# Altium PCB Nest-Distrib.PcbDoc
Units mil, origin at the board's own origin, x right, y up, seen from the top; angles counter-clockwise.
Board outline 3720 x 4110 mil, 2 copper layers (Top Layer, Bottom Layer); 78 components, 155 nets, 406 pads, 39 vias.
Unrouted connection lines stored in the file: 1.
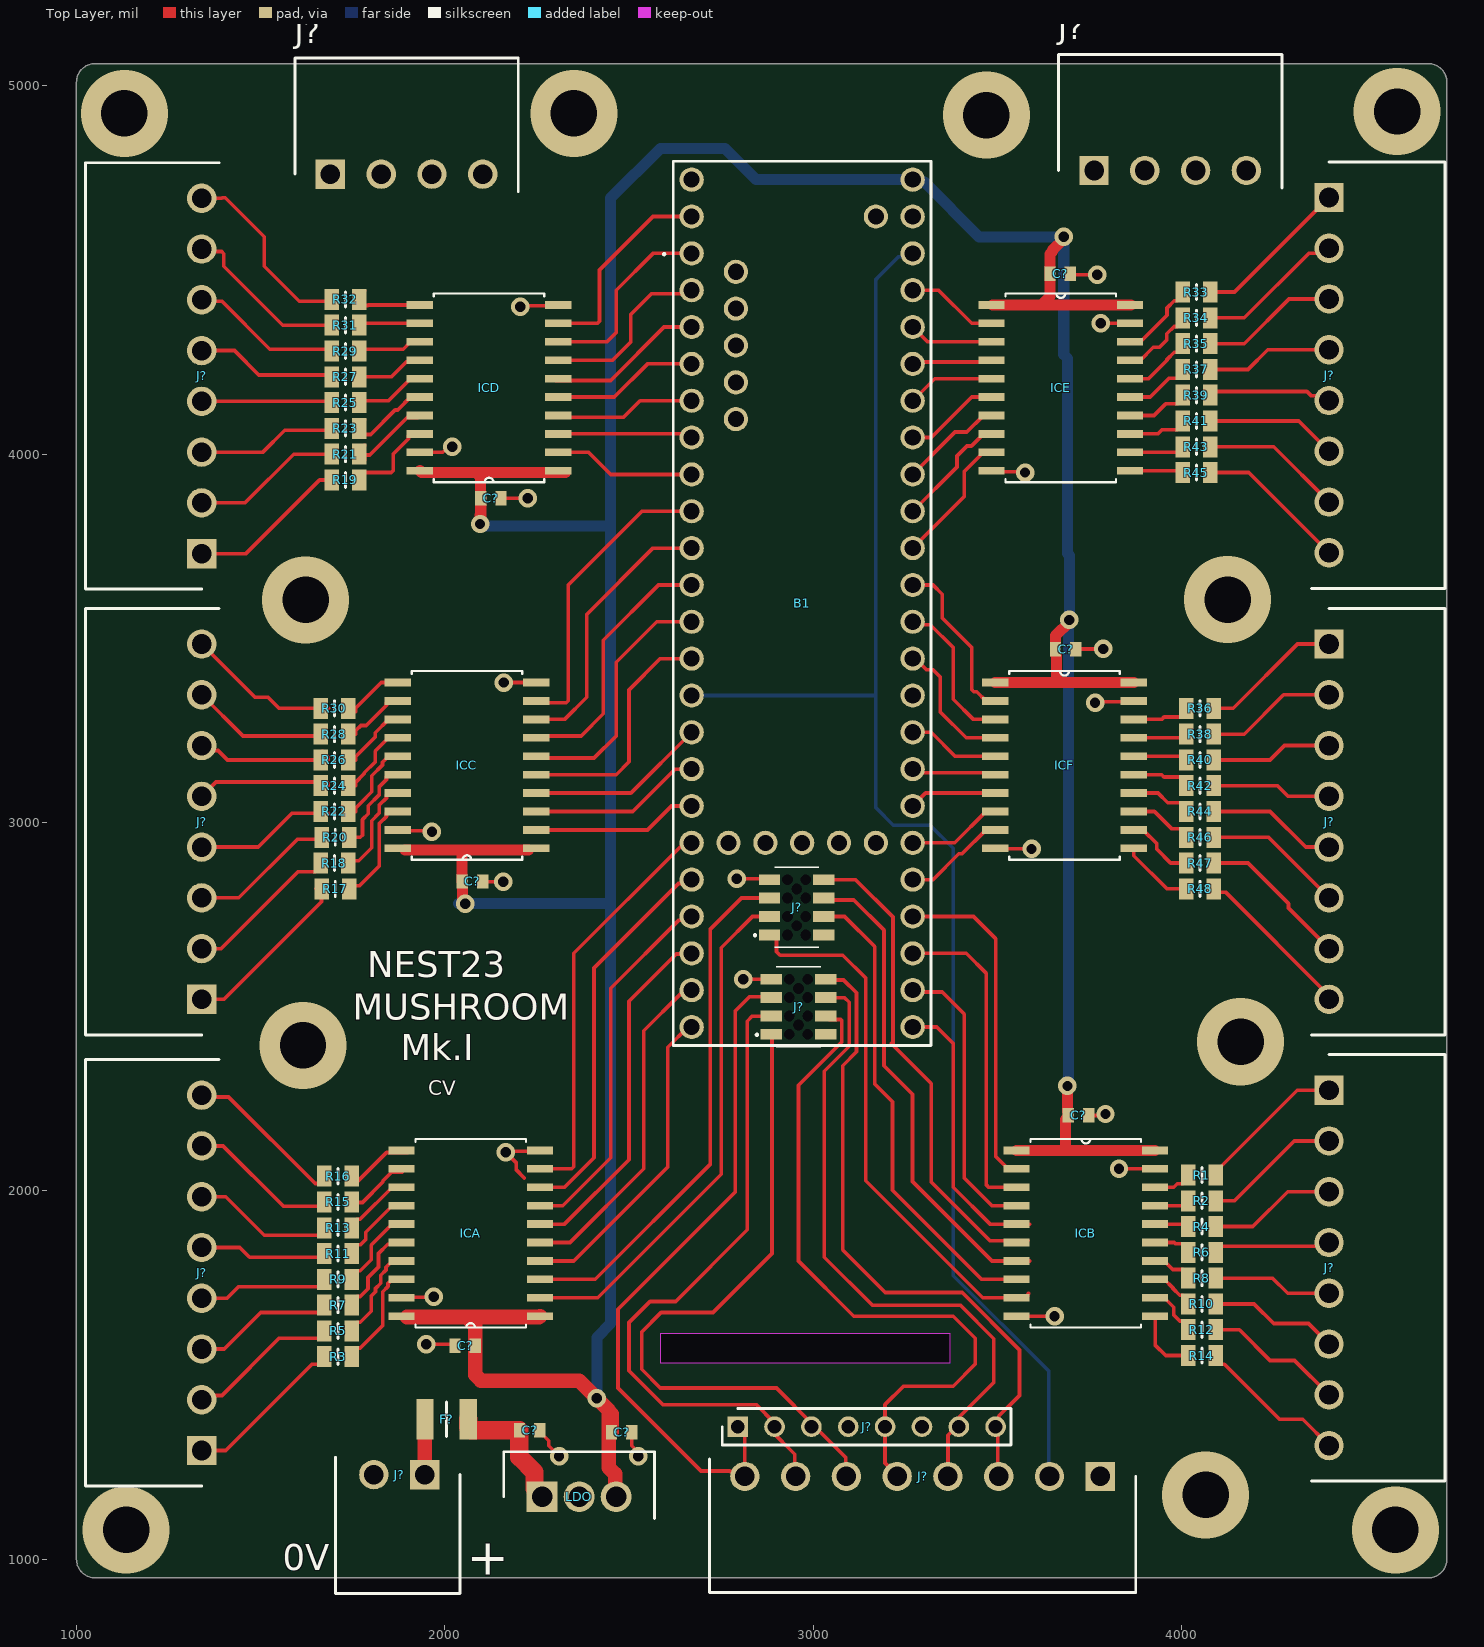
[diagram p0: Top Layer view]
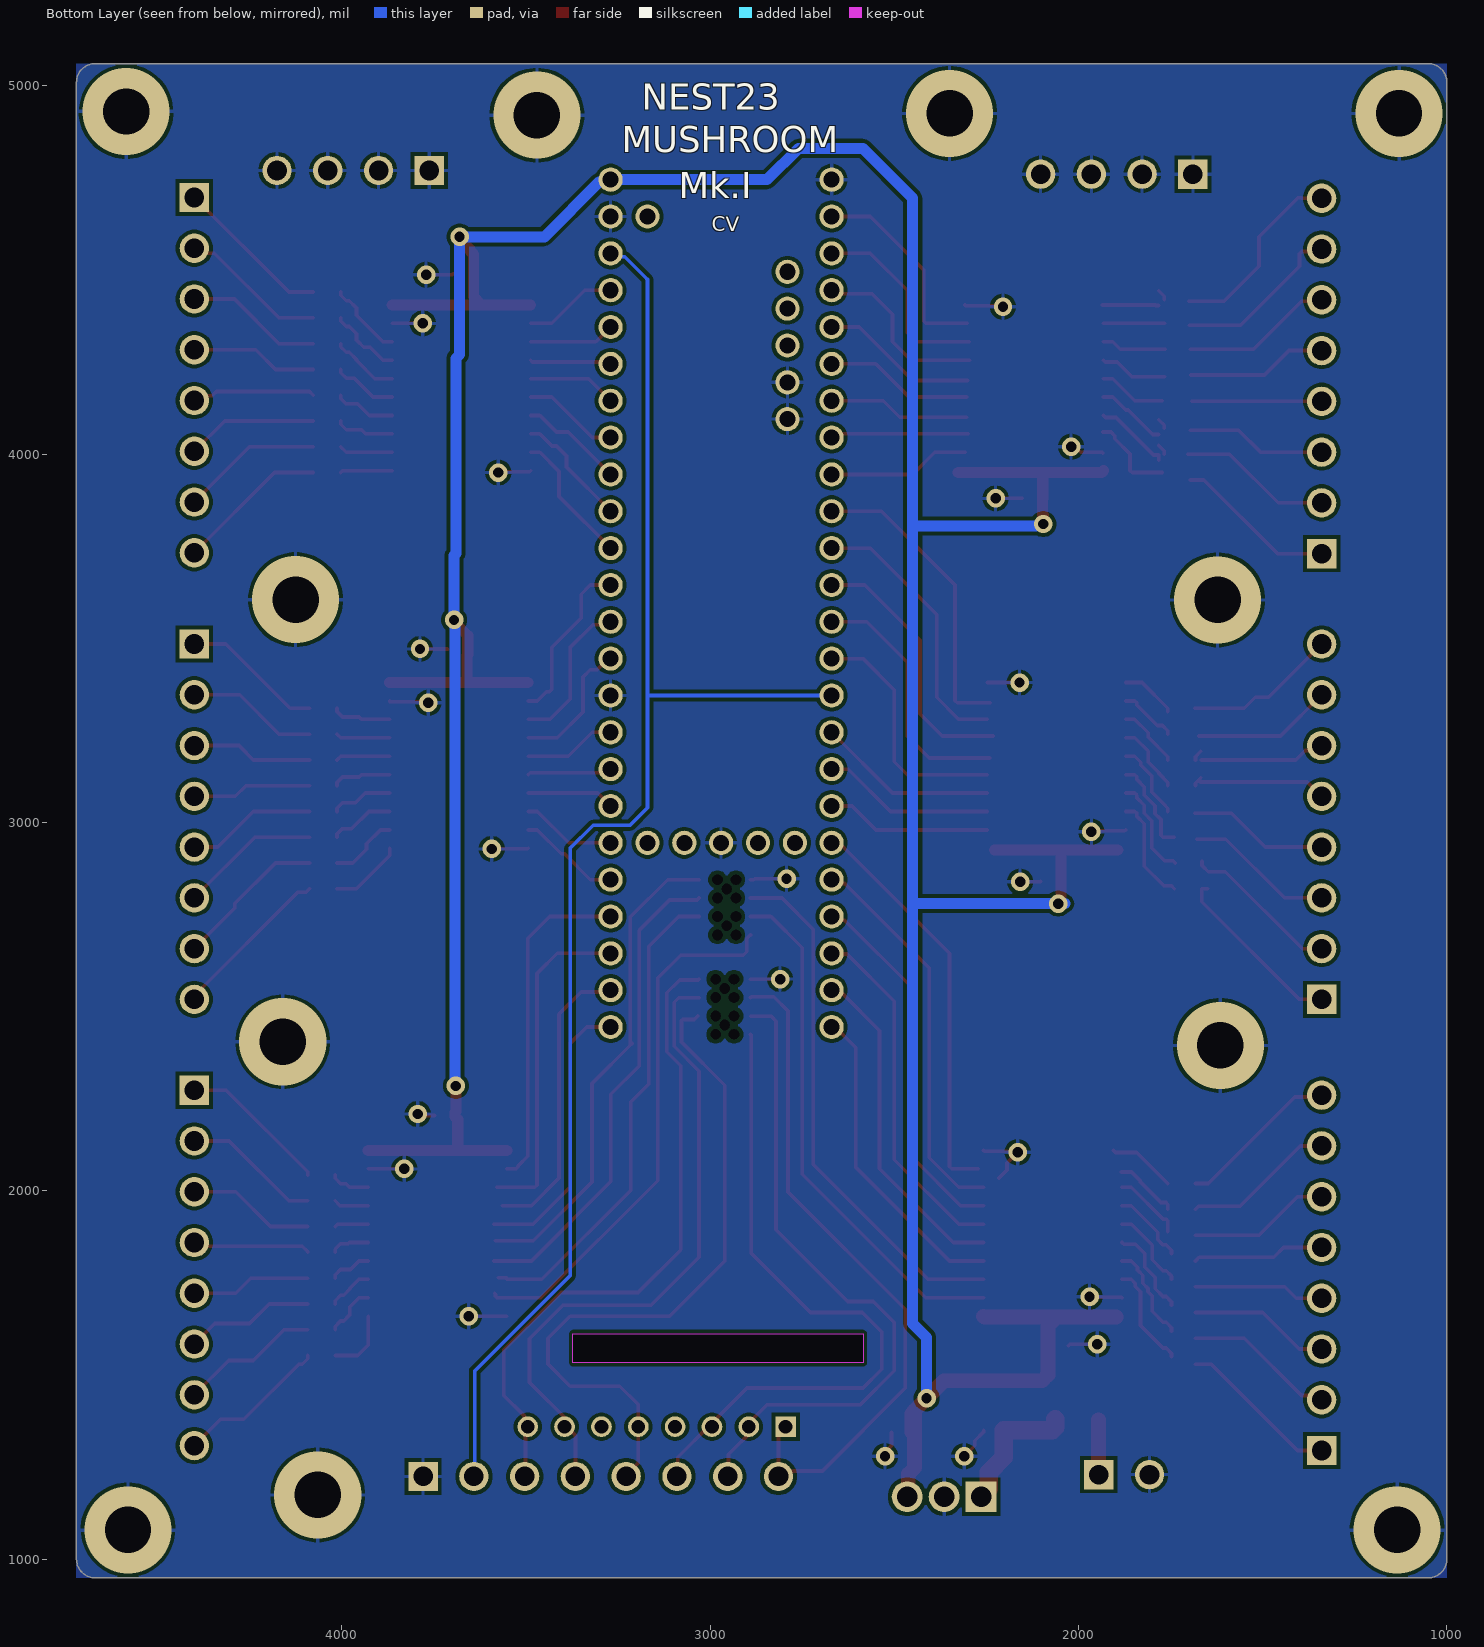
[diagram p1: Bottom Layer view, seen from below]
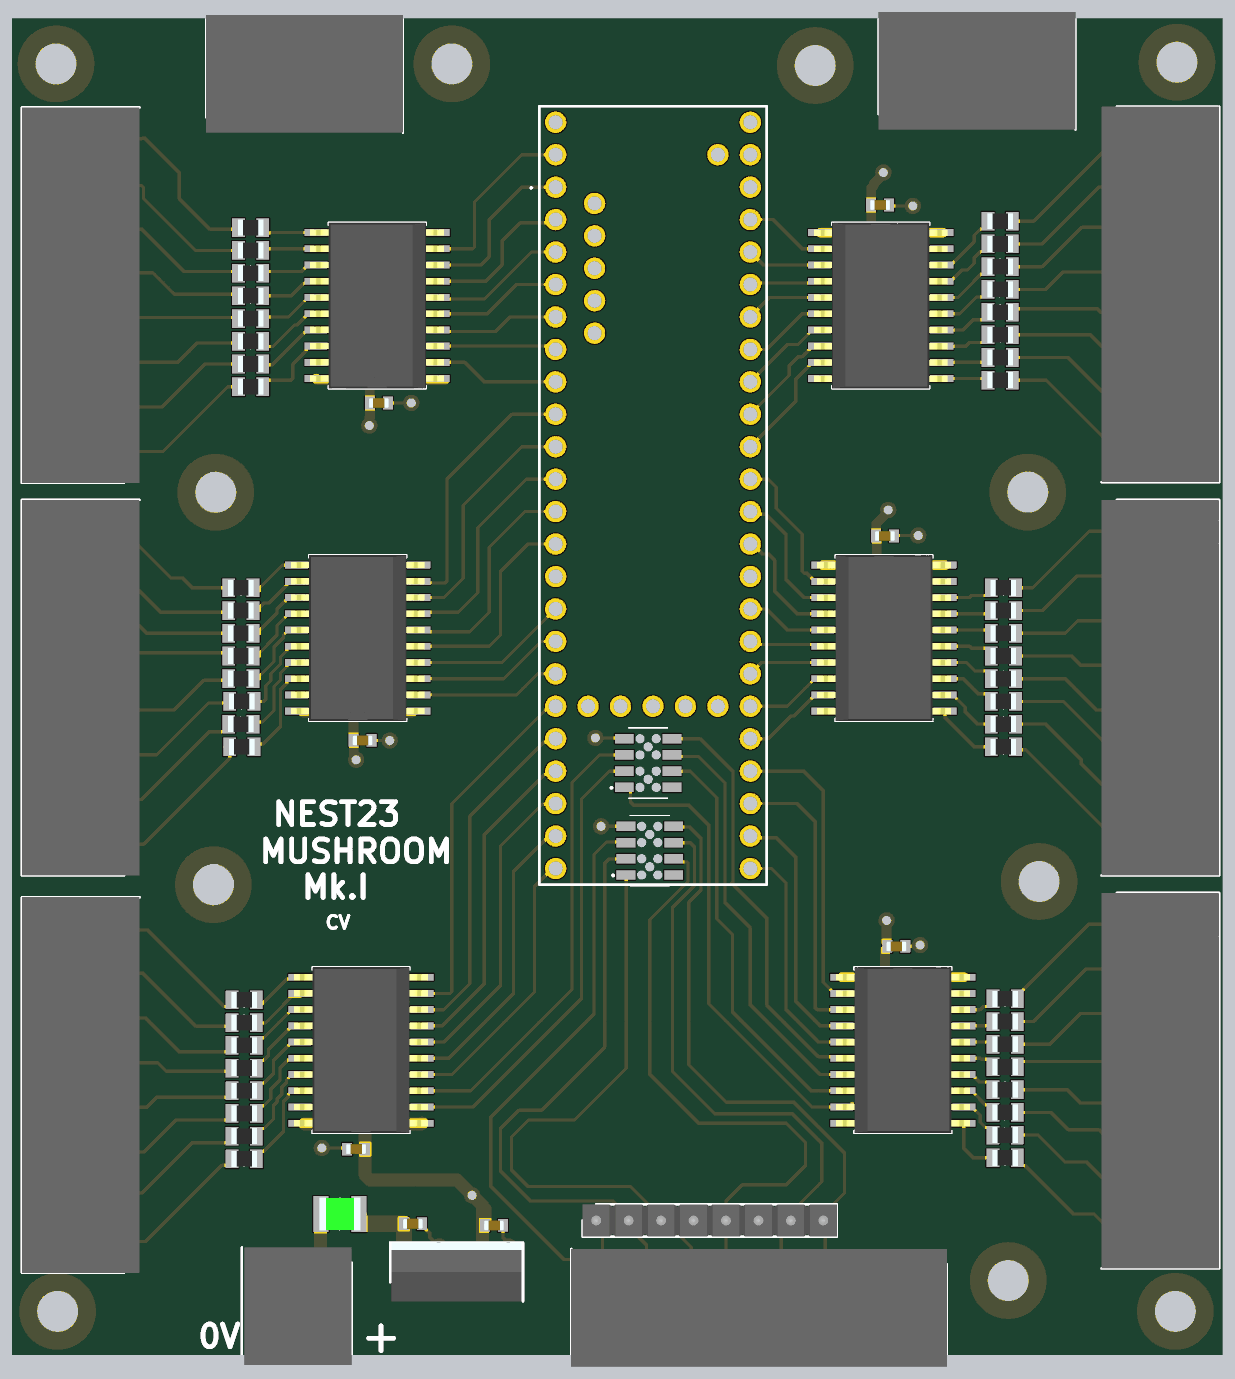
[diagram p2: 3D render of the assembled board from above, using the file's embedded part models]

## Layer stack, top to bottom
Top Solder: solder mask 0.4, Solder Resist, Dk 3.5
Top Layer: signal copper 1.4
Dielectric 1: dielectric 12.6, FR-4, Dk 4.8
Bottom Layer: signal copper 1.4
Bottom Solder: solder mask 0.4, Solder Resist, Dk 3.5

## Board outline
1000,1000 1000,5010 cw(c1050,5010) 1050,5060 4670,5060 cw(c4670,5010) 4720,5010 4720,1000 cw(c4670,1000) 4670,950 1050,950 cw(c1050,1000)
cut-out: 2584.81,1612.48 2584.81,1533.74 3372.21,1533.74 3372.21,1612.48

## Design rules (kind name [scope] priority, off if disabled: settings)
Clearance [All] p1: gap=10 ignorepadtopadclearanceinfootprint=FALSE except(0: Arc-Hole Track-Hole SMDPad-Hole THPad-Hole Via-Hole Fill-Hole Poly-Hole Region-Hole Text-Hole)
PolygonConnect [All] p1: connectstyle=Relief reliefconductorwidth=10 reliefentries=4 polygonreliefangle="90 Angle" airgapwidth=10
RoutingVias [All] p1: holewidth=28 width=50 viastyle="Through Hole" minholewidth=28 minwidth=50 maxholewidth=28 maxwidth=50
ShortCircuit [All] p1 off: allowed=FALSE
SolderMaskExpansion [All] p1: expansion=4 istentingtop=FALSE
UnRoutedNet [All] p1 off:
Width [All] p1: maxlimit=50 minlimit=10 preferedwidth=10 minimp=50.000000 maximp=50.000000 favimp=50.000000
28 further rules are at their usual default settings.

## Classes and differential pairs
component class Sheet1: B1 C? F? ICA ICB ICC ICD ICE ICF J? LDO R1 R2 R3 R4 R5 R6 R7 R8 R9 R10 R11 R12 R13 R14 R15 R16 R17 R18 R19 R20 R21 R22 R23 R24 R25 R26 R27 R28 R29 R30 R31 R32 R33 R34 R35 R36 R37 R38 R39 R40 R41 R42 R43 R44 R45 R46 R47 R48

## Components (designator, comment, footprint, x,y, rotation, side; value= is the part's Value field where it differs from the comment)
B1 "TEENSY_4.1" TEENSY41 2670,4545 r270 top
C? "06034D106KAT2A" CAPC1608X90N 2230,1350 r0 top
C? "06034D106KAT2A" CAPC1608X90N 2480,1345 r0 top
C? "06034D106KAT2A" CAPC1608X90N 2125,3880 r0 top
C? "06034D106KAT2A" CAPC1608X90N 2055,1580 r180 top
C? "06034D106KAT2A" CAPC1608X90N 3670,4490 r0 top
C? "06034D106KAT2A" CAPC1608X90N 2075,2840 r0 top
C? "06034D106KAT2A" CAPC1608X90N 3685,3470 r0 top
C? "06034D106KAT2A" CAPC1608X90N 3720,2205 r0 top
F? "0ZCH0050FF2G" FUSC3226X75N 2005,1380 r0 top
ICA "74HCT245D" SOIC127P1032X265-20N 2070,1885 r180 top
ICB "74HCT245D" SOIC127P1032X265-20N 3740,1885 r0 top
ICC "74HCT245D" SOIC127P1032X265-20N 2060,3155 r180 top
ICD "74HCT245D" SOIC127P1032X265-20N 2120,4180 r180 top
ICE "74HCT245D" SOIC127P1032X265-20N 3672,4180 r0 top
ICF "74HCT245D" SOIC127P1032X265-20N 3682,3155 r0 top
J? "691322110004" SHDRRA4W80P0X350_1X4_1540X920X700P 1689.41,4760 r0 top
J? "691322110004" SHDRRA4W80P0X350_1X4_1540X920X700P 3762.2,4770 r0 top
J? "87224-8" HDRV8W77P0X254_1X8_1991X254X1037P 2795,1360 r0 top
J? "CLP-104-02-F-D-BE-A-K" CLP-104-02-XXX-D-BE-A-K 2955,2770 r270 top
J? "CLP-104-02-F-D-BE-A-K" CLP-104-02-XXX-D-BE-A-K 2960,2500 r270 top
J? "691322110008" SHDRRA8W80P0X350_1X8_2940X920X720P 3778.98,1225 r180 top
J? "691322110002" SHDRRA2W80P0X350_1X2_840X920X720P 1945,1230 r180 top
J? "691322110008" SHDRRA8W80P0X350_1X8_2940X920X720P 4400,3484.57 r270 top
J? "691322110008" SHDRRA8W80P0X350_1X8_2940X920X720P 1340,2520 r90 top
J? "691322110008" SHDRRA8W80P0X350_1X8_2940X920X720P 4400,4696.77 r270 top
J? "691322110008" SHDRRA8W80P0X350_1X8_2940X920X720P 1340,1295.43 r90 top
J? "691322110008" SHDRRA8W80P0X350_1X8_2940X920X720P 1340,3730 r90 top
J? "691322110008" SHDRRA8W80P0X350_1X8_2940X920X720P 4400,2273.39 r270 top
LDO "L78M05CP" TO255P460X1020X2030-3P 2264.21,1170 r0 top
R1 "CPF0805B105KE1" RESC2012X65N 4055.08,2043.28 r0 top
R2 "CPF0805B105KE1" RESC2012X65N 4055.08,1973.28 r0 top
R3 "CPF0805B105KE1" RESC2012X65N 1710,1550 r180 top
R4 "CPF0805B105KE1" RESC2012X65N 4055.08,1903.28 r0 top
R5 "CPF0805B105KE1" RESC2012X65N 1710,1620 r180 top
R6 "CPF0805B105KE1" RESC2012X65N 4055.08,1833.28 r0 top
R7 "CPF0805B105KE1" RESC2012X65N 1710,1690 r180 top
R8 "CPF0805B105KE1" RESC2012X65N 4055.08,1763.28 r0 top
R9 "CPF0805B105KE1" RESC2012X65N 1710,1760 r180 top
R10 "CPF0805B105KE1" RESC2012X65N 4055.08,1693.28 r0 top
R11 "CPF0805B105KE1" RESC2012X65N 1710,1830 r180 top
R12 "CPF0805B105KE1" RESC2012X65N 4055.08,1623.28 r0 top
R13 "CPF0805B105KE1" RESC2012X65N 1710,1900 r180 top
R14 "CPF0805B105KE1" RESC2012X65N 4055.08,1553.28 r0 top
R15 "CPF0805B105KE1" RESC2012X65N 1710,1970 r180 top
R16 "CPF0805B105KE1" RESC2012X65N 1710,2040 r180 top
R17 "CPF0805B105KE1" RESC2012X65N 1702.6,2820 r180 top
R18 "CPF0805B105KE1" RESC2012X65N 1700,2890 r180 top
R19 "CPF0805B105KE1" RESC2012X65N 1730,3930 r180 top
R20 "CPF0805B105KE1" RESC2012X65N 1702.6,2960 r180 top
R21 "CPF0805B105KE1" RESC2012X65N 1730,4000 r180 top
R22 "CPF0805B105KE1" RESC2012X65N 1700,3030 r180 top
R23 "CPF0805B105KE1" RESC2012X65N 1730,4070 r180 top
R24 "CPF0805B105KE1" RESC2012X65N 1700,3100 r180 top
R25 "CPF0805B105KE1" RESC2012X65N 1730,4140 r180 top
R26 "CPF0805B105KE1" RESC2012X65N 1700,3170 r180 top
R27 "CPF0805B105KE1" RESC2012X65N 1730,4210 r180 top
R28 "CPF0805B105KE1" RESC2012X65N 1700,3240 r180 top
R29 "CPF0805B105KE1" RESC2012X65N 1730,4280 r180 top
R30 "CPF0805B105KE1" RESC2012X65N 1700,3310 r180 top
R31 "CPF0805B105KE1" RESC2012X65N 1730,4350 r180 top
R32 "CPF0805B105KE1" RESC2012X65N 1730,4420 r180 top
R33 "CPF0805B105KE1" RESC2012X65N 4040,4440 r0 top
R34 "CPF0805B105KE1" RESC2012X65N 4040,4370 r0 top
R35 "CPF0805B105KE1" RESC2012X65N 4040,4300 r0 top
R36 "CPF0805B105KE1" RESC2012X65N 4050,3310 r0 top
R37 "CPF0805B105KE1" RESC2012X65N 4040,4230 r0 top
R38 "CPF0805B105KE1" RESC2012X65N 4050,3240 r0 top
R39 "CPF0805B105KE1" RESC2012X65N 4040,4160 r0 top
R40 "CPF0805B105KE1" RESC2012X65N 4050,3170 r0 top
R41 "CPF0805B105KE1" RESC2012X65N 4040,4090 r0 top
R42 "CPF0805B105KE1" RESC2012X65N 4050,3100 r0 top
R43 "CPF0805B105KE1" RESC2012X65N 4040,4020 r0 top
R44 "CPF0805B105KE1" RESC2012X65N 4050,3030 r0 top
R45 "CPF0805B105KE1" RESC2012X65N 4040,3950 r0 top
R46 "CPF0805B105KE1" RESC2012X65N 4050,2960 r0 top
R47 "CPF0805B105KE1" RESC2012X65N 4050,2890 r0 top
R48 "CPF0805B105KE1" RESC2012X65N 4050,2820 r0 top

## Footprints (in the part's own frame and the unit in brackets; to place one, negate y for a bottom-side part, rotate by r counter-clockwise, add the part's x,y. Pads: shape width x height; smd on the part's side, far side on the other; paste and mask are expansions set on the pad)
CAPC1608X90N [mm]
  rect 0.78x0.99 smd: 1(-0.7,0) 2(0.7,0)
  body extent -0.8,-0.41 0.8,0.41, height 0.9
CLP-104-02-XXX-D-BE-A-K [mm]
  rect 0.74x1.47 smd: 1(1.905,-1.87) 2(1.905,1.87) 3(0.635,-1.87) 4(0.635,1.87) 5(-0.635,-1.87) 6(-0.635,1.87) 7(-1.905,-1.87) 8(-1.905,1.87)
  round 0.37 hole 0.74 unplated: 9(1.905,-0.635) 10(1.905,0.635) 11(0.635,-0.635) 12(0.635,0.635) 13(-0.635,-0.635) 14(-0.635,0.635) 15(-1.905,-0.635) 16(-1.905,0.635) 17(1.265,0) 18(-1.265,0)
  silkscreen extent -2.76,-2.92 2.76,1.53
FUSC3226X75N [mm]
  rect 1.18x2.81 smd: 1(-1.485,0) 2(1.485,0)
  silkscreen extent 0,-1.19 0,1.19, body extent -1.61,-1.29 1.61,1.29, height 0.75
HDRV8W77P0X254_1X8_1991X254X1037P [mm]
  rect 1.425x1.425 hole 0.95: 1(0,0)
  round 1.425 hole 0.95: 2(2.54,0) 3(5.08,0) 4(7.62,0) 5(10.16,0) 6(12.7,0) 7(15.24,0) 8(17.78,0)
  silkscreen extent -1.06,-1.27 18.84,1.27, body extent -1.06,-1.27 18.85,1.27, height 10.37
RESC2012X65N [mm]
  rect 1x1.45 smd: 1(-0.95,0) 2(0.95,0)
  silkscreen extent 0,-0.53 0,0.53, body extent -1,-0.63 1,0.63, height 0.65
SHDRRA2W80P0X350_1X2_840X920X720P [mm]
  rect 2.025x2.025 hole 1.35: 1(0,0)
  round 2.025 hole 1.35: 2(3.5,0)
  silkscreen extent -2.45,-1.2 6.15,8.2, body extent -2.45,-1.2 5.95,8, height 7.2
SHDRRA4W80P0X350_1X4_1540X920X700P [mm]
  rect 2.025x2.025 hole 1.35: 1(0,0)
  round 2.025 hole 1.35: 2(3.5,0) 3(7,0) 4(10.5,0)
  silkscreen extent -2.45,-1.2 12.95,8, body extent -2.45,-1.2 12.95,8, height 7
SHDRRA8W80P0X350_1X8_2940X920X720P [mm]
  rect 2.025x2.025 hole 1.35: 1(0,0)
  round 2.025 hole 1.35: 2(3.5,0) 3(7,0) 4(10.5,0) 5(14,0) 6(17.5,0) 7(21,0) 8(24.5,0)
  silkscreen extent -2.45,-1.2 26.95,8, body extent -2.45,-1.2 26.95,8, height 7.2
SOIC127P1032X265-20N [mil]
  rect 71x21 smd: 1(-188,225) 2(-188,175) 3(-188,125) 4(-188,75) 5(-188,25) 6(-188,-25) 7(-188,-75) 8(-188,-125) 9(-188,-175) 10(-188,-225) 11(188,-225) 12(188,-175) 13(188,-125) 14(188,-75) 15(188,-25) 16(188,25) 17(188,75) 18(188,125) 19(188,175) 20(188,225)
  silkscreen extent -150,-256 150,256, body extent -206,-256 206,256, height 108
TEENSY41 [mm]
  round 1.665 hole 1.11: 1(0,0) 2(2.54,0) 3(5.08,0) 4(7.62,0) 5(10.16,0) 6(12.7,0) 7(15.24,0) 8(17.78,0) 9(20.32,0) 10(22.86,0) 11(25.4,0) 12(27.94,0) 13(27.94,15.24) 14(25.4,15.24) 15(22.86,15.24) 16(20.32,15.24) 17(17.78,15.24) 18(15.24,15.24) 19(12.7,15.24) 20(10.16,15.24) 21(7.62,15.24) 22(5.08,15.24) 23(2.54,15.24) 24(33.02,0) 25(35.56,0) 26(38.1,0) 27(40.64,0) 28(43.18,0) 29(45.72,0) 30(48.26,0) 31(50.8,0) 32(53.34,0) 33(53.34,15.24) 34(50.8,15.24) 35(48.26,15.24) 36(45.72,15.24) 37(43.18,15.24) 38(40.64,15.24) 39(38.1,15.24) 40(35.56,15.24) 41(33.02,15.24) 42(30.48,0) 43(40.64,2.54) 44(40.64,5.08) 45(40.64,7.62) 46(40.64,10.16) 47(40.64,12.7) 48(11.43,3.05) 49(8.89,3.05) 50(6.35,3.05) 51(3.81,3.05) 52(1.27,3.05) 53(0,15.24) 55(-5.08,15.24) 57(-2.54,0) 68(-2.54,12.7) 69(30.48,15.24) 70(-2.54,15.24) 71(-5.08,0)
  silkscreen extent -6.35,-1.95 54.61,16.51, body extent -10,-3.38 10,3.38, height 5.8
TO255P460X1020X2030-3P [mm]
  rect 2.13x2.13 hole 1.42: 1(0,0)
  round 2.13 hole 1.42: 2(2.55,0) 3(5.1,0)
  silkscreen extent -2.65,-1.5 7.75,3.1, body extent -2.55,-1.5 7.65,3.1, height 19.4

## Part data
B1: "Teensy 4.1 Development Board", Manufacturer_Name=PJRC, Manufacturer_Part_Number="TEENSY 4.1", Datasheet Link=https://www.pjrc.com/store/teensy41.html
C? C? C? C? C? C? C? C?: "Capacitor", Manufacturer_Name=AVX, Mouser Part Number=581-06034D106K, Arrow Part Number=06034D106KAT2A, Arrow Price/Stock=https://www.arrow.com/en/products/06034d106kat2a/avx, Datasheet Link=https://componentsearchengine.com/Datasheets/1/06031A100FAT2A.pdf, Height=0.9mm, Manufacturer_Part_Number=06034D106KAT2A, Mouser Price/Stock=https://www.mouser.co.uk/ProductDetail/AVX/06034D106KAT2A/?qs=yeMJfaiNeLxq%252BdDt9K4ETA%3D%3D
F?: "Fuse", Manufacturer_Name=BelFuse, Mouser Part Number=530-0ZCH0050FF2G, Arrow Part Number=0ZCH0050FF2G, Arrow Price/Stock=https://www.arrow.com/en/products/0zch0050ff2g/bel-group, Datasheet Link=https://componentsearchengine.com/Datasheets/1/0ZCH0050FF2G.pdf, Height=0.75mm, Manufacturer_Part_Number=0ZCH0050FF2G, Mouser Price/Stock=https://www.mouser.co.uk/ProductDetail/Bel-Fuse/0ZCH0050FF2G?qs=SRYZG9HaIQ2VrAxOxbTdxQ%3D%3D
ICA ICB ICC ICD ICE ICF: "Integrated Circuit", Manufacturer_Name=Nexperia, Mouser Part Number=N/A, Manufacturer_Part_Number=74HCT245D, Mouser Price/Stock=https://www.mouser.co.uk/ProductDetail/Nexperia/74HCT245D?qs=vHuUswq2%252Bswq%2FDWSRnGMaw%3D%3D
J? J?: "Connector", Manufacturer_Name="Wurth Elektronik", Mouser Part Number=710-691322110004, Datasheet Link=http://katalog.we-online.de/em/datasheet/6913221100xx.pdf, Height=7mm, Manufacturer_Part_Number=691322110004, Mouser Price/Stock=https://www.mouser.co.uk/ProductDetail/Wurth-Elektronik/691322110004?qs=7gQLVZk5cPn2UEoFVh2xVA%3D%3D
J?: "Connector", Manufacturer_Name="TE Connectivity", Mouser Part Number=571-872248, Arrow Part Number=87224-8, Arrow Price/Stock=https://www.arrow.com/en/products/87224-8/te-connectivity?region=nac, Datasheet Link=https://www.te.com/commerce/DocumentDelivery/DDEController?Action=showdoc&DocId=Catalog+Section%7F1307819_SECTION_5%7F0908%7Fpdf%7FEnglish%7FENG_CS_1307819_SECTION_5_0908.pdf%7F87224-8, Height=10.37mm, Manufacturer_Part_Number=87224-8, Mouser Price/Stock=https://www.mouser.co.uk/ProductDetail/TE-Connectivity/87224-8?qs=AplfTeSvkkCp9ZRzD7JZmw%3D%3D
J? J?: "Connector", Manufacturer_Name=SAMTEC, Datasheet Link=http://suddendocs.samtec.com/prints/erm8-xxx-xx.x-xxx-dv-xxxx-xx-mkt.pdf, Manufacturer_Part_Number=CLP-104-02-F-D-BE-A-K
J? J? J? J? J? J? J?: "Connector", Manufacturer_Name="Wurth Elektronik", Mouser Part Number=710-691322110008, Datasheet Link=https://www.we-online.com/catalog/datasheet/691322110008.pdf, Height=7.2mm, Manufacturer_Part_Number=691322110008, Mouser Price/Stock=https://www.mouser.co.uk/ProductDetail/Wurth-Elektronik/691322110008?qs=2kOmHSv6VfTkYbL8mFPSHA%3D%3D
J?: "Connector", Manufacturer_Name="Wurth Elektronik", Mouser Part Number=710-691322110002, Datasheet Link=http://katalog.we-online.de/em/datasheet/6913221100xx.pdf, Height=7.2mm, Manufacturer_Part_Number=691322110002, Mouser Price/Stock=https://www.mouser.co.uk/ProductDetail/Wurth-Elektronik/691322110002?qs=7gQLVZk5cPkDEmUnh1n5zw%3D%3D
LDO: "Integrated Circuit", Manufacturer_Name=STMicroelectronics, Mouser Part Number=511-L78M05CP, Arrow Part Number=L78M05CP, Arrow Price/Stock=https://www.arrow.com/en/products/l78m05cp/stmicroelectronics?region=europe, Datasheet Link=http://www.st.com/web/en/resource/technical/document/datasheet/CD00000447.pdf, Height=4.6mm, Manufacturer_Part_Number=L78M05CP, Mouser Price/Stock=https://www.mouser.co.uk/ProductDetail/STMicroelectronics/L78M05CP?qs=W%252B4obUA0F3anQylSbAkrfw%3D%3D
R1 R2 R3 R4 R5 R6 R7 R8 R9 R10 R11 R12 R13 R14 R15 R16 R17 R18 R19 R20 R21 R22 R23 R24 R25 R26 R27 R28 R29 R30 R31 R32 R33 R34 R35 R36 R37 R38 R39 R40 R41 R42 R43 R44 R45 R46 R47 R48: "Resistor", Manufacturer_Name="TE Connectivity", Mouser Part Number=279-CPF0805B105KE1, Datasheet Link=http://docs-europe.electrocomponents.com/webdocs/13d1/0900766b813d116f.pdf, Height=0.65mm, Manufacturer_Part_Number=CPF0805B105KE1, Mouser Price/Stock=https://www.mouser.com/Search/Refine.aspx?Keyword=279-CPF0805B105KE1

## Via types
v1: diameter 50, hole 28, Top Layer to Bottom Layer, tented both sides, 28 vias
v2: diameter 236.22, hole 125.98, Top Layer to Bottom Layer, 11 vias
